# Altium PCB 3-as-manufactured.PcbDoc (part 15 of 16) (continued)
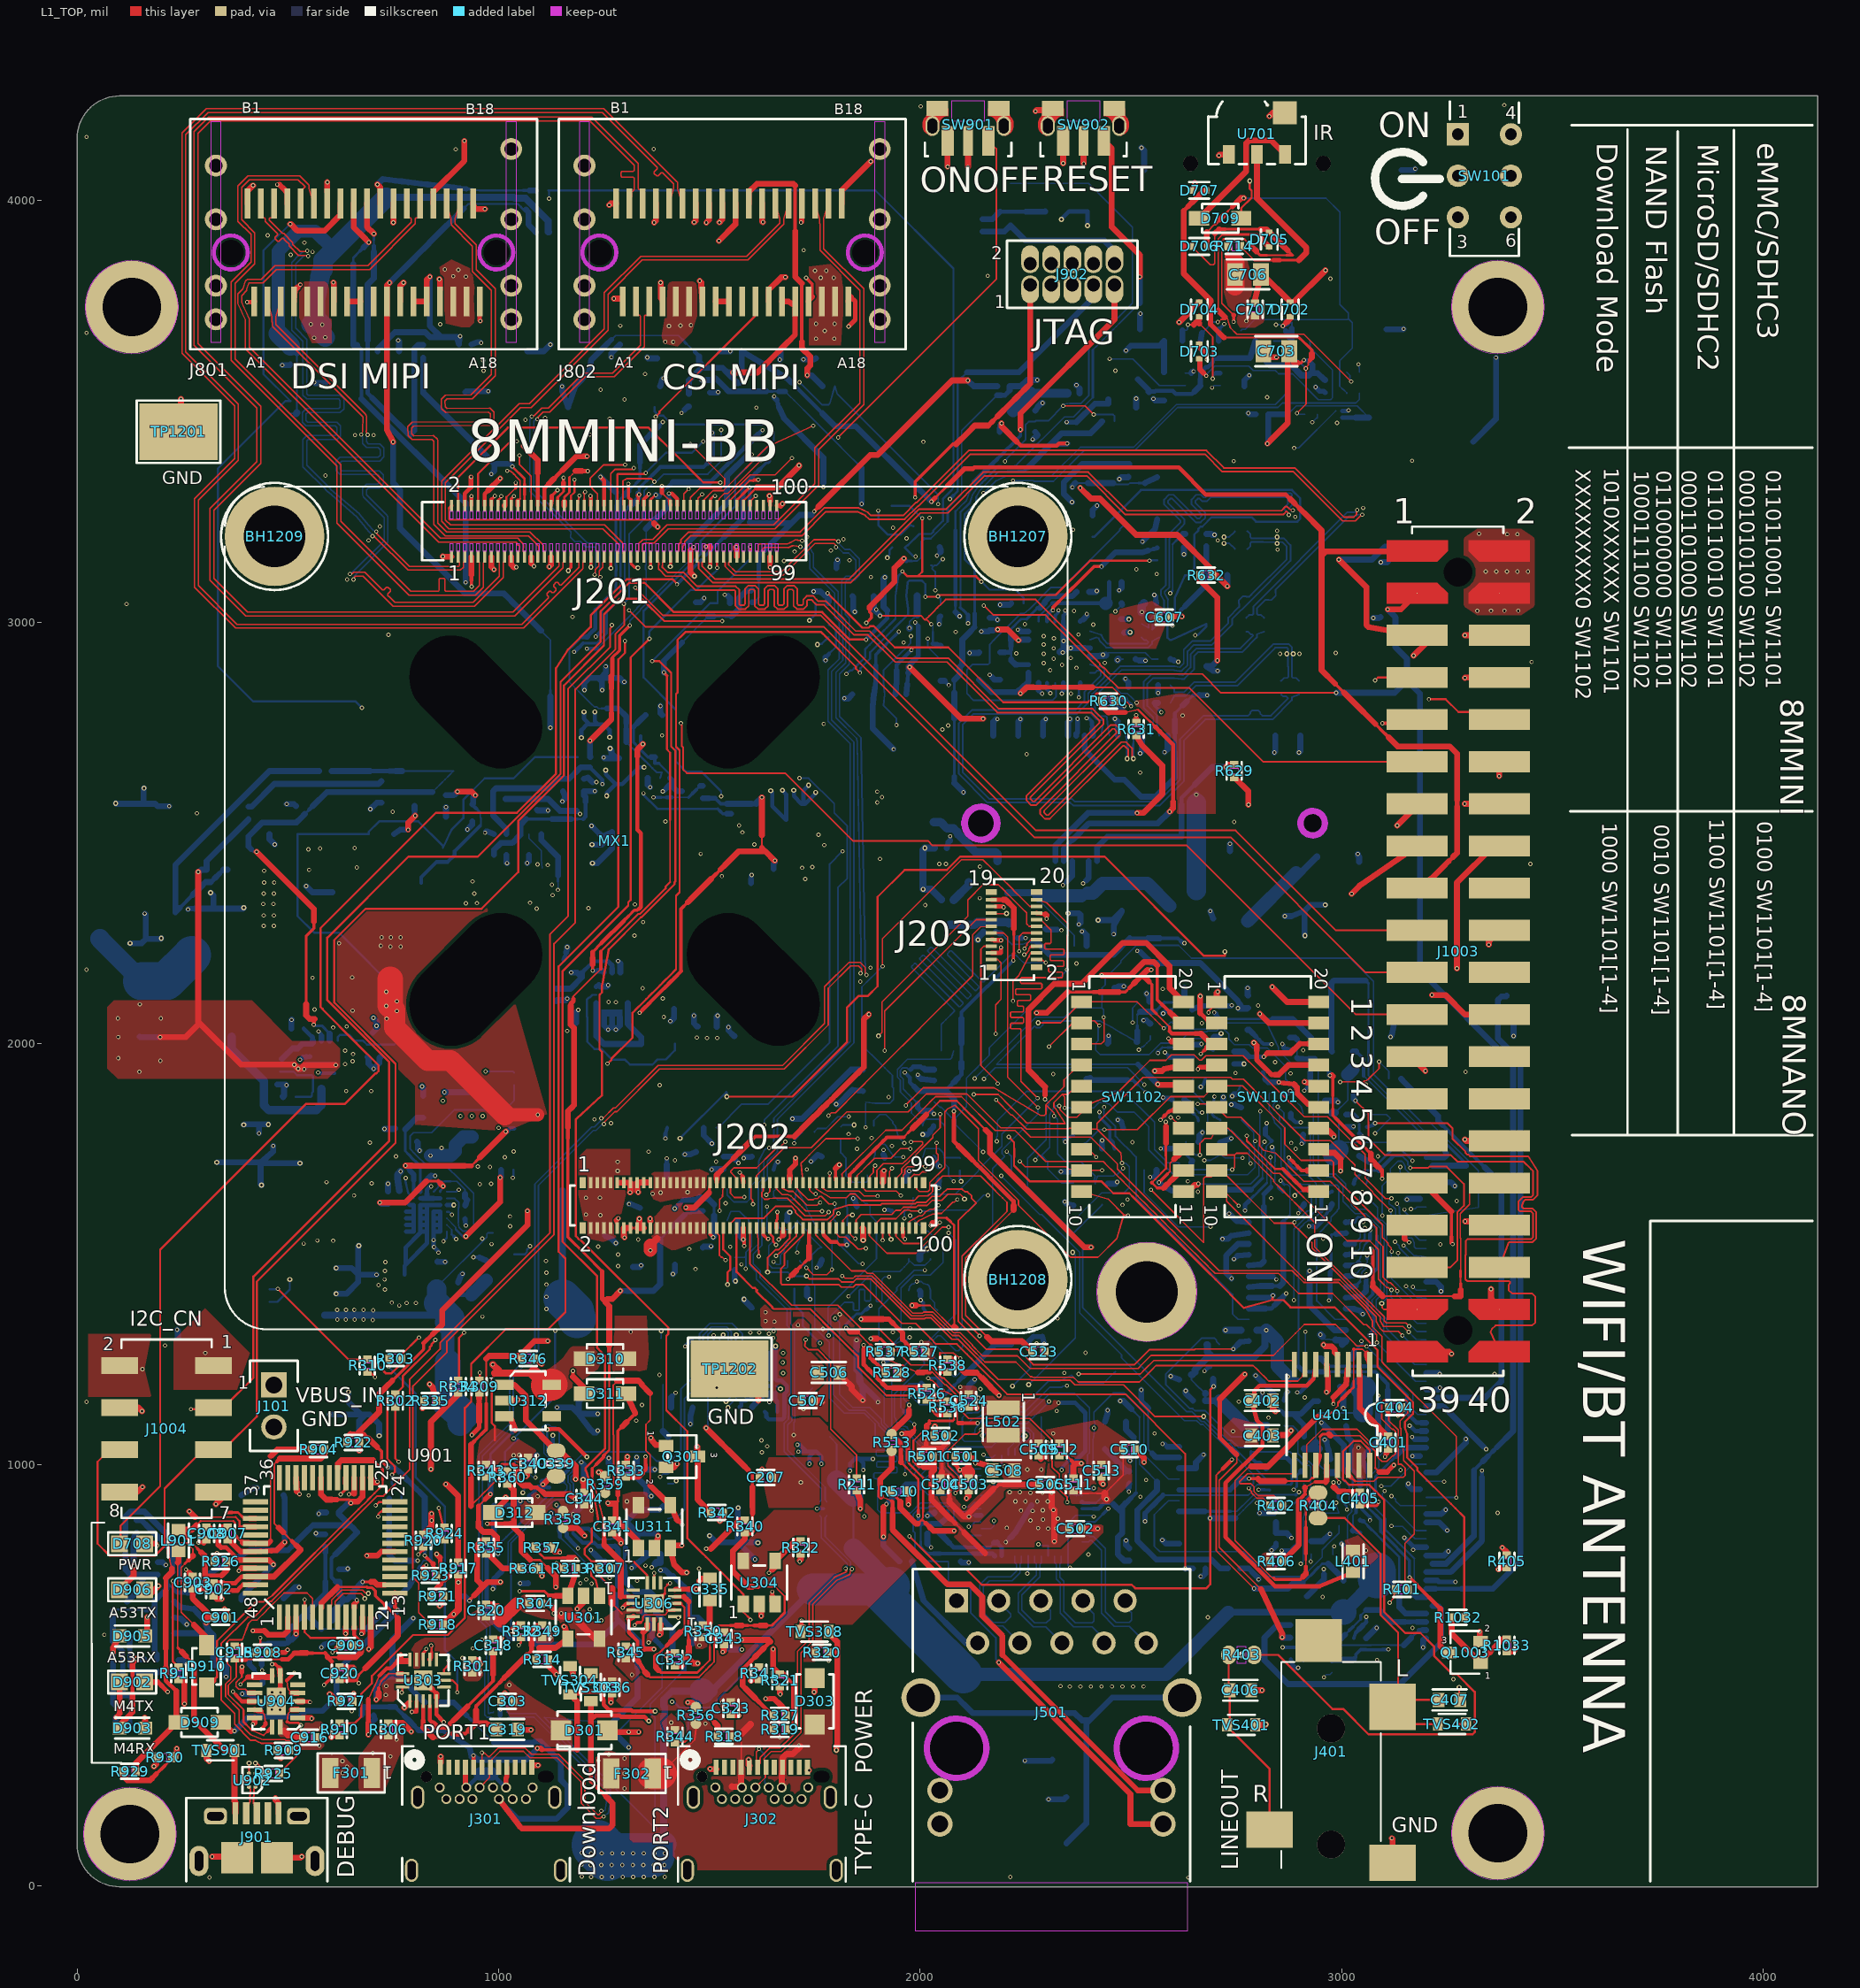
[diagram p0: L1_TOP view]
## Silkscreen, mask and mechanical layers (free items; w line width, h text height) (continued)
  text "D" at 2918.97,-6171.22 h151.9
  text "G" at 3481.87,-6171.22 h151.9
  text "N" at 3574.98,-6171.22 h151.9
  text "D" at 3668.09,-6171.22 h151.9
  text "C" at -10493.13,-6365.9 h151.9
  text "o" at -10400.02,-6365.9 h151.9
  text "r" at -10306.91,-6365.9 h151.9
  text "e" at -10213.8,-6365.9 h151.9
  text "1" at -10027.58,-6365.9 h151.9
  text "C" at -8889.1,-6365.9 h151.9
  text "o" at -8795.99,-6365.9 h151.9
  text "r" at -8702.88,-6365.9 h151.9
  text "e" at -8609.77,-6365.9 h151.9
  text "V" at -7589.79,-6365.9 h151.9
  text "e" at -7496.68,-6365.9 h151.9
  text "n" at -7403.57,-6365.9 h151.9
  text "t" at -7310.46,-6365.9 h151.9
  text "e" at -7217.35,-6365.9 h151.9
  text "c" at -7124.24,-6365.9 h151.9
  text "V" at -6493.63,-6365.9 h151.9
  text "T" at -6400.52,-6365.9 h151.9
  text "4" at -6307.41,-6365.9 h151.9
  text "7" at -6214.3,-6365.9 h151.9
  text "_" at -6121.19,-6365.9 h151.9
  text "3" at -6028.07,-6365.9 h151.9
  text "." at -5934.96,-6365.9 h151.9
  text "0" at -5841.85,-6365.9 h151.9
  text "_" at -5748.74,-6365.9 h151.9
  text "1" at -5655.63,-6365.9 h151.9
  text "x" at -5562.52,-6365.9 h151.9
  text "2" at -5469.41,-6365.9 h151.9
  text "1" at -5376.3,-6365.9 h151.9
  text "1" at -5283.19,-6365.9 h151.9
  text "2" at -5190.08,-6365.9 h151.9
  text "3" at -4407.11,-6365.9 h151.9
  text "4" at -2532.21,-6365.9 h151.9
  text "." at -2439.1,-6365.9 h151.9
  text "0" at -2345.99,-6365.9 h151.9
  text "5" at -2252.88,-6365.9 h151.9
  text "0" at -1935.46,-6365.9 h151.9
  text "." at -1842.35,-6365.9 h151.9
  text "0" at -1749.24,-6365.9 h151.9
  text "1" at -1656.13,-6365.9 h151.9
  text "6" at -1563.02,-6365.9 h151.9
  text "Copper" at -6098.63,-6539.77 h152
  text "N" at -280.63,-6556.36 h151.9
  text "/" at -187.52,-6556.36 h151.9
  text "U" at -94.41,-6556.36 h151.9
  text "N" at 468.48,-6556.36 h151.9
  text "/" at 561.59,-6556.36 h151.9
  text "U" at 654.7,-6556.36 h151.9
  text "3" at -11098.35,-6560.59 h151.9
  text "L" at -10493.13,-6560.59 h151.9
  text "3" at -10400.02,-6560.59 h151.9
  text "_" at -10306.91,-6560.59 h151.9
  text "I" at -10213.8,-6560.59 h151.9
  text "N" at -10120.69,-6560.59 h151.9
  text "T" at -10027.58,-6560.59 h151.9
  text "S" at -8982.21,-6560.59 h151.9
  text "i" at -8889.1,-6560.59 h151.9
  text "g" at -8795.99,-6560.59 h151.9
  text "n" at -8702.88,-6560.59 h151.9
  text "a" at -8609.77,-6560.59 h151.9
  text "l" at -8516.66,-6560.59 h151.9
  text "0" at -4500.22,-6560.59 h151.9
  text "." at -4407.11,-6560.59 h151.9
  text "6" at -4314,-6560.59 h151.9
  text "0" at -3378.67,-6560.59 h151.9
  text "." at -3285.56,-6560.59 h151.9
  text "5" at -3192.44,-6560.59 h151.9
  text "4" at -1093.23,-6560.59 h151.9
  text "." at -1000.12,-6560.59 h151.9
  text "2" at -907.01,-6560.59 h151.9
  text "N" at 1234.52,-6560.59 h151.9
  text "/" at 1327.63,-6560.59 h151.9
  text "U" at 1420.74,-6560.59 h151.9
  text "N" at 1983.64,-6560.59 h151.9
  text "/" at 2076.75,-6560.59 h151.9
  text "U" at 2169.86,-6560.59 h151.9
  text "3" at 2825.86,-6560.59 h151.9
  text "5" at 3574.98,-6560.59 h151.9
  text "P" at -10632.8,-6755.27 h151.9
  text "r" at -10539.69,-6755.27 h151.9
  text "e" at -10446.58,-6755.27 h151.9
  text "p" at -10353.47,-6755.27 h151.9
  text "r" at -10260.36,-6755.27 h151.9
  text "e" at -10167.25,-6755.27 h151.9
  text "g" at -10074.14,-6755.27 h151.9
  text "2" at -9887.92,-6755.27 h151.9
  text "P" at -9028.76,-6755.27 h151.9
  text "r" at -8935.65,-6755.27 h151.9
  text "e" at -8842.54,-6755.27 h151.9
  text "p" at -8749.43,-6755.27 h151.9
  text "r" at -8656.32,-6755.27 h151.9
  text "e" at -8563.21,-6755.27 h151.9
  text "g" at -8470.1,-6755.27 h151.9
  text "V" at -7589.79,-6755.27 h151.9
  text "e" at -7496.68,-6755.27 h151.9
  text "n" at -7403.57,-6755.27 h151.9
  text "t" at -7310.46,-6755.27 h151.9
  text "e" at -7217.35,-6755.27 h151.9
  text "c" at -7124.24,-6755.27 h151.9
  text "V" at -6400.52,-6755.27 h151.9
  text "T" at -6307.41,-6755.27 h151.9
  text "4" at -6214.3,-6755.27 h151.9
  text "7" at -6121.19,-6755.27 h151.9
  text "_" at -6028.07,-6755.27 h151.9
  text "8" at -5934.96,-6755.27 h151.9
  text "." at -5841.85,-6755.27 h151.9
  text "2" at -5748.74,-6755.27 h151.9
  text "_" at -5655.63,-6755.27 h151.9
  text "7" at -5562.52,-6755.27 h151.9
  text "6" at -5469.41,-6755.27 h151.9
  text "2" at -5376.3,-6755.27 h151.9
  text "8" at -5283.19,-6755.27 h151.9
  text "8" at -4500.22,-6755.27 h151.9
  text "." at -4407.11,-6755.27 h151.9
  text "2" at -4314,-6755.27 h151.9
  text "4" at -2532.21,-6755.27 h151.9
  text "." at -2439.1,-6755.27 h151.9
  text "1" at -2345.99,-6755.27 h151.9
  text "5" at -2252.88,-6755.27 h151.9
  text "0" at -1935.46,-6755.27 h151.9
  text "." at -1842.35,-6755.27 h151.9
  text "0" at -1749.24,-6755.27 h151.9
  text "1" at -1656.13,-6755.27 h151.9
  text "6" at -1563.02,-6755.27 h151.9
  text "P" at -10632.8,-6949.96 h151.9
  text "r" at -10539.69,-6949.96 h151.9
  text "e" at -10446.58,-6949.96 h151.9
  text "p" at -10353.47,-6949.96 h151.9
  text "r" at -10260.36,-6949.96 h151.9
  text "e" at -10167.25,-6949.96 h151.9
  text "g" at -10074.14,-6949.96 h151.9
  text "3" at -9887.92,-6949.96 h151.9
  text "P" at -9028.76,-6949.96 h151.9
  text "r" at -8935.65,-6949.96 h151.9
  text "e" at -8842.54,-6949.96 h151.9
  text "p" at -8749.43,-6949.96 h151.9
  text "r" at -8656.32,-6949.96 h151.9
  text "e" at -8563.21,-6949.96 h151.9
  text "g" at -8470.1,-6949.96 h151.9
  text "V" at -7589.79,-6949.96 h151.9
  text "e" at -7496.68,-6949.96 h151.9
  text "n" at -7403.57,-6949.96 h151.9
  text "t" at -7310.46,-6949.96 h151.9
  text "e" at -7217.35,-6949.96 h151.9
  text "c" at -7124.24,-6949.96 h151.9
  text "V" at -6400.52,-6949.96 h151.9
  text "T" at -6307.41,-6949.96 h151.9
  text "4" at -6214.3,-6949.96 h151.9
  text "7" at -6121.19,-6949.96 h151.9
  text "_" at -6028.07,-6949.96 h151.9
  text "8" at -5934.96,-6949.96 h151.9
  text "." at -5841.85,-6949.96 h151.9
  text "2" at -5748.74,-6949.96 h151.9
  text "_" at -5655.63,-6949.96 h151.9
  text "7" at -5562.52,-6949.96 h151.9
  text "6" at -5469.41,-6949.96 h151.9
  text "2" at -5376.3,-6949.96 h151.9
  text "8" at -5283.19,-6949.96 h151.9
  text "8" at -4500.22,-6949.96 h151.9
  text "." at -4407.11,-6949.96 h151.9
  text "2" at -4314,-6949.96 h151.9
  text "4" at -2532.21,-6949.96 h151.9
  text "." at -2439.1,-6949.96 h151.9
  text "1" at -2345.99,-6949.96 h151.9
  text "5" at -2252.88,-6949.96 h151.9
  text "0" at -1935.46,-6949.96 h151.9
  text "." at -1842.35,-6949.96 h151.9
  text "0" at -1749.24,-6949.96 h151.9
  text "1" at -1656.13,-6949.96 h151.9
  text "6" at -1563.02,-6949.96 h151.9
  text "Copper" at -6098.63,-7136.32 h152
  text "4" at -11098.35,-7144.64 h151.9
  text "L" at -10493.13,-7144.64 h151.9
  text "4" at -10400.02,-7144.64 h151.9
  text "_" at -10306.91,-7144.64 h151.9
  text "P" at -10213.8,-7144.64 h151.9
  text "W" at -10120.69,-7144.64 h151.9
  text "R" at -10027.58,-7144.64 h151.9
  text "S" at -9261.54,-7144.64 h151.9
  text "i" at -9168.43,-7144.64 h151.9
  text "g" at -9075.32,-7144.64 h151.9
  text "n" at -8982.21,-7144.64 h151.9
  text "a" at -8889.1,-7144.64 h151.9
  text "l" at -8795.99,-7144.64 h151.9
  text "/" at -8702.88,-7144.64 h151.9
  text "P" at -8609.77,-7144.64 h151.9
  text "l" at -8516.66,-7144.64 h151.9
  text "a" at -8423.55,-7144.64 h151.9
  text "n" at -8330.44,-7144.64 h151.9
  text "e" at -8237.33,-7144.64 h151.9
  text "0" at -4500.22,-7144.64 h151.9
  text "." at -4407.11,-7144.64 h151.9
  text "6" at -4314,-7144.64 h151.9
  text "0" at -3378.67,-7144.64 h151.9
  text "." at -3285.56,-7144.64 h151.9
  text "5" at -3192.44,-7144.64 h151.9
  text "N" at -1093.23,-7144.64 h151.9
  text "/" at -1000.12,-7144.64 h151.9
  text "U" at -907.01,-7144.64 h151.9
  text "N" at -276.4,-7144.64 h151.9
  text "/" at -183.29,-7144.64 h151.9
  text "U" at -90.18,-7144.64 h151.9
  text "N" at 476.94,-7144.64 h151.9
  text "/" at 570.06,-7144.64 h151.9
  text "U" at 663.17,-7144.64 h151.9
  text "N" at 1234.52,-7144.64 h151.9
  text "/" at 1327.63,-7144.64 h151.9
  text "U" at 1420.74,-7144.64 h151.9
  text "N" at 1983.64,-7144.64 h151.9
  text "/" at 2076.75,-7144.64 h151.9
  text "U" at 2169.86,-7144.64 h151.9
  text "N" at 2732.75,-7144.64 h151.9
  text "/" at 2825.86,-7144.64 h151.9
  text "U" at 2918.97,-7144.64 h151.9
  text "N" at 3481.87,-7144.64 h151.9
  text "/" at 3574.98,-7144.64 h151.9
  text "U" at 3668.09,-7144.64 h151.9
  text "C" at -10493.13,-7339.33 h151.9
  text "o" at -10400.02,-7339.33 h151.9
  text "r" at -10306.91,-7339.33 h151.9
  text "e" at -10213.8,-7339.33 h151.9
  text "2" at -10027.58,-7339.33 h151.9
  text "C" at -8889.1,-7339.33 h151.9
  text "o" at -8795.99,-7339.33 h151.9
  text "r" at -8702.88,-7339.33 h151.9
  text "e" at -8609.77,-7339.33 h151.9
  text "V" at -7589.79,-7339.33 h151.9
  text "e" at -7496.68,-7339.33 h151.9
  text "n" at -7403.57,-7339.33 h151.9
  text "t" at -7310.46,-7339.33 h151.9
  text "e" at -7217.35,-7339.33 h151.9
  text "c" at -7124.24,-7339.33 h151.9
  text "V" at -6540.18,-7339.33 h151.9
  text "T" at -6447.07,-7339.33 h151.9
  text "4" at -6353.96,-7339.33 h151.9
  text "7" at -6260.85,-7339.33 h151.9
  text "_" at -6167.74,-7339.33 h151.9
  text "1" at -6074.63,-7339.33 h151.9
  text "2" at -5981.52,-7339.33 h151.9
  text "." at -5888.41,-7339.33 h151.9
  text "0" at -5795.3,-7339.33 h151.9
  text "_" at -5702.19,-7339.33 h151.9
  text "2" at -5609.08,-7339.33 h151.9
  text "x" at -5515.97,-7339.33 h151.9
  text "1" at -5422.86,-7339.33 h151.9
  text "5" at -5329.75,-7339.33 h151.9
  text "0" at -5236.64,-7339.33 h151.9
  text "6" at -5143.53,-7339.33 h151.9
  text "1" at -4453.67,-7339.33 h151.9
  text "2" at -4360.56,-7339.33 h151.9
  text "4" at -2485.65,-7339.33 h151.9
  text "." at -2392.54,-7339.33 h151.9
  text "2" at -2299.43,-7339.33 h151.9
  text "0" at -1935.46,-7339.33 h151.9
  text "." at -1842.35,-7339.33 h151.9
  text "0" at -1749.24,-7339.33 h151.9
  text "1" at -1656.13,-7339.33 h151.9
  text "5" at -1563.02,-7339.33 h151.9
  text "Copper" at -6098.63,-7513.2 h152
  text "5" at -11098.35,-7534.01 h151.9
  text "L" at -10493.13,-7534.01 h151.9
  text "5" at -10400.02,-7534.01 h151.9
  text "_" at -10306.91,-7534.01 h151.9
  text "P" at -10213.8,-7534.01 h151.9
  text "W" at -10120.69,-7534.01 h151.9
  text "R" at -10027.58,-7534.01 h151.9
  text "S" at -9261.54,-7534.01 h151.9
  text "i" at -9168.43,-7534.01 h151.9
  text "g" at -9075.32,-7534.01 h151.9
  text "n" at -8982.21,-7534.01 h151.9
  text "a" at -8889.1,-7534.01 h151.9
  text "l" at -8795.99,-7534.01 h151.9
  text "/" at -8702.88,-7534.01 h151.9
  text "P" at -8609.77,-7534.01 h151.9
  text "l" at -8516.66,-7534.01 h151.9
  text "a" at -8423.55,-7534.01 h151.9
  text "n" at -8330.44,-7534.01 h151.9
  text "e" at -8237.33,-7534.01 h151.9
  text "0" at -4500.22,-7534.01 h151.9
  text "." at -4407.11,-7534.01 h151.9
  text "6" at -4314,-7534.01 h151.9
  text "0" at -3378.67,-7534.01 h151.9
  text "." at -3285.56,-7534.01 h151.9
  text "5" at -3192.44,-7534.01 h151.9
  text "N" at -1093.23,-7534.01 h151.9
  text "/" at -1000.12,-7534.01 h151.9
  text "U" at -907.01,-7534.01 h151.9
  text "N" at -276.4,-7534.01 h151.9
  text "/" at -183.29,-7534.01 h151.9
  text "U" at -90.18,-7534.01 h151.9
  text "N" at 476.94,-7534.01 h151.9
  text "/" at 570.06,-7534.01 h151.9
  text "U" at 663.17,-7534.01 h151.9
  text "N" at 1234.52,-7534.01 h151.9
  text "/" at 1327.63,-7534.01 h151.9
  text "U" at 1420.74,-7534.01 h151.9
  text "N" at 1983.64,-7534.01 h151.9
  text "/" at 2076.75,-7534.01 h151.9
  text "U" at 2169.86,-7534.01 h151.9
  text "N" at 2732.75,-7534.01 h151.9
  text "/" at 2825.86,-7534.01 h151.9
  text "U" at 2918.97,-7534.01 h151.9
  text "N" at 3481.87,-7534.01 h151.9
  text "/" at 3574.98,-7534.01 h151.9
  text "U" at 3668.09,-7534.01 h151.9
  text "P" at -10632.8,-7728.7 h151.9
  text "r" at -10539.69,-7728.7 h151.9
  text "e" at -10446.58,-7728.7 h151.9
  text "p" at -10353.47,-7728.7 h151.9
  text "r" at -10260.36,-7728.7 h151.9
  text "e" at -10167.25,-7728.7 h151.9
  text "g" at -10074.14,-7728.7 h151.9
  text "4" at -9887.92,-7728.7 h151.9
  text "P" at -9028.76,-7728.7 h151.9
  text "r" at -8935.65,-7728.7 h151.9
  text "e" at -8842.54,-7728.7 h151.9
  text "p" at -8749.43,-7728.7 h151.9
  text "r" at -8656.32,-7728.7 h151.9
  text "e" at -8563.21,-7728.7 h151.9
  text "g" at -8470.1,-7728.7 h151.9
  text "V" at -7589.79,-7728.7 h151.9
  text "e" at -7496.68,-7728.7 h151.9
  text "n" at -7403.57,-7728.7 h151.9
  text "t" at -7310.46,-7728.7 h151.9
  text "e" at -7217.35,-7728.7 h151.9
  text "c" at -7124.24,-7728.7 h151.9
  text "V" at -6400.52,-7728.7 h151.9
  text "T" at -6307.41,-7728.7 h151.9
  text "4" at -6214.3,-7728.7 h151.9
  text "7" at -6121.19,-7728.7 h151.9
  text "_" at -6028.07,-7728.7 h151.9
  text "8" at -5934.96,-7728.7 h151.9
  text "." at -5841.85,-7728.7 h151.9
  text "2" at -5748.74,-7728.7 h151.9
  text "_" at -5655.63,-7728.7 h151.9
  text "7" at -5562.52,-7728.7 h151.9
  text "6" at -5469.41,-7728.7 h151.9
  text "2" at -5376.3,-7728.7 h151.9
  text "8" at -5283.19,-7728.7 h151.9
  text "8" at -4500.22,-7728.7 h151.9
  text "." at -4407.11,-7728.7 h151.9
  text "2" at -4314,-7728.7 h151.9
  text "4" at -2532.21,-7728.7 h151.9
  text "." at -2439.1,-7728.7 h151.9
  text "1" at -2345.99,-7728.7 h151.9
  text "5" at -2252.88,-7728.7 h151.9
  text "0" at -1935.46,-7728.7 h151.9
  text "." at -1842.35,-7728.7 h151.9
  text "0" at -1749.24,-7728.7 h151.9
  text "1" at -1656.13,-7728.7 h151.9
  text "6" at -1563.02,-7728.7 h151.9
  text "P" at -10632.8,-7923.38 h151.9
  text "r" at -10539.69,-7923.38 h151.9
  text "e" at -10446.58,-7923.38 h151.9
  text "p" at -10353.47,-7923.38 h151.9
  text "r" at -10260.36,-7923.38 h151.9
  text "e" at -10167.25,-7923.38 h151.9
  text "g" at -10074.14,-7923.38 h151.9
  text "5" at -9887.92,-7923.38 h151.9
  text "P" at -9028.76,-7923.38 h151.9
  text "r" at -8935.65,-7923.38 h151.9
  text "e" at -8842.54,-7923.38 h151.9
  text "p" at -8749.43,-7923.38 h151.9
  text "r" at -8656.32,-7923.38 h151.9
  text "e" at -8563.21,-7923.38 h151.9
  text "g" at -8470.1,-7923.38 h151.9
  text "V" at -7589.79,-7923.38 h151.9
  text "e" at -7496.68,-7923.38 h151.9
  text "n" at -7403.57,-7923.38 h151.9
  text "t" at -7310.46,-7923.38 h151.9
  text "e" at -7217.35,-7923.38 h151.9
  text "c" at -7124.24,-7923.38 h151.9
  text "V" at -6400.52,-7923.38 h151.9
  text "T" at -6307.41,-7923.38 h151.9
  text "4" at -6214.3,-7923.38 h151.9
  text "7" at -6121.19,-7923.38 h151.9
  text "_" at -6028.07,-7923.38 h151.9
  text "8" at -5934.96,-7923.38 h151.9
  text "." at -5841.85,-7923.38 h151.9
  text "2" at -5748.74,-7923.38 h151.9
  text "_" at -5655.63,-7923.38 h151.9
  text "7" at -5562.52,-7923.38 h151.9
  text "6" at -5469.41,-7923.38 h151.9
  text "2" at -5376.3,-7923.38 h151.9
  text "8" at -5283.19,-7923.38 h151.9
  text "8" at -4500.22,-7923.38 h151.9
  text "." at -4407.11,-7923.38 h151.9
  text "2" at -4314,-7923.38 h151.9
  text "4" at -2532.21,-7923.38 h151.9
  text "." at -2439.1,-7923.38 h151.9
  text "1" at -2345.99,-7923.38 h151.9
  text "5" at -2252.88,-7923.38 h151.9
  text "0" at -1935.46,-7923.38 h151.9
  text "." at -1842.35,-7923.38 h151.9
  text "0" at -1749.24,-7923.38 h151.9
  text "1" at -1656.13,-7923.38 h151.9
  text "6" at -1563.02,-7923.38 h151.9
  text "Copper" at -6098.63,-8097.25 h152
  text "N" at -280.63,-8113.84 h151.9
  text "/" at -187.52,-8113.84 h151.9
  text "U" at -94.41,-8113.84 h151.9
  text "N" at 468.48,-8113.84 h151.9
  text "/" at 561.59,-8113.84 h151.9
  text "U" at 654.7,-8113.84 h151.9
  text "N" at 1230.29,-8113.84 h151.9
  text "/" at 1323.4,-8113.84 h151.9
  text "U" at 1416.51,-8113.84 h151.9
  text "N" at 1979.41,-8113.84 h151.9
  text "/" at 2072.52,-8113.84 h151.9
  text "U" at 2165.63,-8113.84 h151.9
  text "N" at 2732.75,-8113.84 h151.9
  text "/" at 2825.86,-8113.84 h151.9
  text "U" at 2918.97,-8113.84 h151.9
  text "N" at 3481.87,-8113.84 h151.9
  text "/" at 3574.98,-8113.84 h151.9
  text "U" at 3668.09,-8113.84 h151.9
  text "6" at -11098.35,-8118.07 h151.9
  text "L" at -10493.13,-8118.07 h151.9
  text "6" at -10400.02,-8118.07 h151.9
  text "_" at -10306.91,-8118.07 h151.9
  text "I" at -10213.8,-8118.07 h151.9
  text "N" at -10120.69,-8118.07 h151.9
  text "T" at -10027.58,-8118.07 h151.9
  text "S" at -8982.21,-8118.07 h151.9
  text "i" at -8889.1,-8118.07 h151.9
  text "g" at -8795.99,-8118.07 h151.9
  text "n" at -8702.88,-8118.07 h151.9
  text "a" at -8609.77,-8118.07 h151.9
  text "l" at -8516.66,-8118.07 h151.9
  text "0" at -4500.22,-8118.07 h151.9
  text "." at -4407.11,-8118.07 h151.9
  text "6" at -4314,-8118.07 h151.9
  text "0" at -3378.67,-8118.07 h151.9
  text "." at -3285.56,-8118.07 h151.9
  text "5" at -3192.44,-8118.07 h151.9
  text "4" at -1093.23,-8118.07 h151.9
  text "." at -1000.12,-8118.07 h151.9
  text "2" at -907.01,-8118.07 h151.9
  text "C" at -10493.13,-8312.75 h151.9
  text "o" at -10400.02,-8312.75 h151.9
  text "r" at -10306.91,-8312.75 h151.9
  text "e" at -10213.8,-8312.75 h151.9
  text "3" at -10027.58,-8312.75 h151.9
  text "C" at -8889.1,-8312.75 h151.9
  text "o" at -8795.99,-8312.75 h151.9
  text "r" at -8702.88,-8312.75 h151.9
  text "e" at -8609.77,-8312.75 h151.9
  text "V" at -7589.79,-8312.75 h151.9
  text "e" at -7496.68,-8312.75 h151.9
  text "n" at -7403.57,-8312.75 h151.9
  text "t" at -7310.46,-8312.75 h151.9
  text "e" at -7217.35,-8312.75 h151.9
  text "c" at -7124.24,-8312.75 h151.9
  text "V" at -6493.63,-8312.75 h151.9
  text "T" at -6400.52,-8312.75 h151.9
  text "4" at -6307.41,-8312.75 h151.9
  text "7" at -6214.3,-8312.75 h151.9
  text "_" at -6121.19,-8312.75 h151.9
  text "3" at -6028.07,-8312.75 h151.9
  text "." at -5934.96,-8312.75 h151.9
  text "0" at -5841.85,-8312.75 h151.9
  text "_" at -5748.74,-8312.75 h151.9
  text "1" at -5655.63,-8312.75 h151.9
  text "x" at -5562.52,-8312.75 h151.9
  text "2" at -5469.41,-8312.75 h151.9
  text "1" at -5376.3,-8312.75 h151.9
  text "1" at -5283.19,-8312.75 h151.9
  text "2" at -5190.08,-8312.75 h151.9
  text "3" at -4407.11,-8312.75 h151.9
  text "4" at -2532.21,-8312.75 h151.9
  text "." at -2439.1,-8312.75 h151.9
  text "0" at -2345.99,-8312.75 h151.9
  text "5" at -2252.88,-8312.75 h151.9
  text "0" at -1935.46,-8312.75 h151.9
  text "." at -1842.35,-8312.75 h151.9
  text "0" at -1749.24,-8312.75 h151.9
  text "1" at -1656.13,-8312.75 h151.9
  text "6" at -1563.02,-8312.75 h151.9
  text "Copper" at -6098.63,-8486.62 h152
  text "7" at -11098.35,-8507.44 h151.9
  text "L" at -10493.13,-8507.44 h151.9
  text "7" at -10400.02,-8507.44 h151.9
  text "_" at -10306.91,-8507.44 h151.9
  text "G" at -10213.8,-8507.44 h151.9
  text "N" at -10120.69,-8507.44 h151.9
  text "D" at -10027.58,-8507.44 h151.9
  text "P" at -8935.65,-8507.44 h151.9
  text "l" at -8842.54,-8507.44 h151.9
  text "a" at -8749.43,-8507.44 h151.9
  text "n" at -8656.32,-8507.44 h151.9
  text "e" at -8563.21,-8507.44 h151.9
  text "0" at -4500.22,-8507.44 h151.9
  text "." at -4407.11,-8507.44 h151.9
  text "6" at -4314,-8507.44 h151.9
  text "0" at -3378.67,-8507.44 h151.9
  text "." at -3285.56,-8507.44 h151.9
  text "5" at -3192.44,-8507.44 h151.9
  text "G" at -1093.23,-8507.44 h151.9
  text "N" at -1000.12,-8507.44 h151.9
  text "D" at -907.01,-8507.44 h151.9
  text "G" at -276.4,-8507.44 h151.9
  text "N" at -183.29,-8507.44 h151.9
  text "D" at -90.18,-8507.44 h151.9
  text "G" at 476.94,-8507.44 h151.9
  text "N" at 570.06,-8507.44 h151.9
  text "D" at 663.17,-8507.44 h151.9
  text "G" at 1234.52,-8507.44 h151.9
  text "N" at 1327.63,-8507.44 h151.9
  text "D" at 1420.74,-8507.44 h151.9
  text "G" at 1983.64,-8507.44 h151.9
  text "N" at 2076.75,-8507.44 h151.9
  text "D" at 2169.86,-8507.44 h151.9
  text "G" at 2732.75,-8507.44 h151.9
  text "N" at 2825.86,-8507.44 h151.9
  text "D" at 2918.97,-8507.44 h151.9
  text "G" at 3481.87,-8507.44 h151.9
  text "N" at 3574.98,-8507.44 h151.9
  text "D" at 3668.09,-8507.44 h151.9
  text "P" at -10632.8,-8702.12 h151.9
  text "r" at -10539.69,-8702.12 h151.9
  text "e" at -10446.58,-8702.12 h151.9
  text "p" at -10353.47,-8702.12 h151.9
  text "r" at -10260.36,-8702.12 h151.9
  text "e" at -10167.25,-8702.12 h151.9
  text "g" at -10074.14,-8702.12 h151.9
  text "6" at -9887.92,-8702.12 h151.9
  text "P" at -9028.76,-8702.12 h151.9
  text "r" at -8935.65,-8702.12 h151.9
  text "e" at -8842.54,-8702.12 h151.9
  text "p" at -8749.43,-8702.12 h151.9
  text "r" at -8656.32,-8702.12 h151.9
  text "e" at -8563.21,-8702.12 h151.9
  text "g" at -8470.1,-8702.12 h151.9
  text "V" at -7589.79,-8702.12 h151.9
  text "e" at -7496.68,-8702.12 h151.9
  text "n" at -7403.57,-8702.12 h151.9
  text "t" at -7310.46,-8702.12 h151.9
  text "e" at -7217.35,-8702.12 h151.9
  text "c" at -7124.24,-8702.12 h151.9
  text "V" at -6353.96,-8702.12 h151.9
  text "T" at -6260.85,-8702.12 h151.9
  text "4" at -6167.74,-8702.12 h151.9
  text "7" at -6074.63,-8702.12 h151.9
  text "_" at -5981.52,-8702.12 h151.9
  text "1" at -5888.41,-8702.12 h151.9
  text "." at -5795.3,-8702.12 h151.9
  text "9" at -5702.19,-8702.12 h151.9
  text "_" at -5609.08,-8702.12 h151.9
  text "1" at -5515.97,-8702.12 h151.9
  text "0" at -5422.86,-8702.12 h151.9
  text "6" at -5329.75,-8702.12 h151.9
  text "1" at -4500.22,-8702.12 h151.9
  text "." at -4407.11,-8702.12 h151.9
  text "9" at -4314,-8702.12 h151.9
  text "3" at -2485.65,-8702.12 h151.9
  text "." at -2392.54,-8702.12 h151.9
  text "5" at -2299.43,-8702.12 h151.9
  text "0" at -1935.46,-8702.12 h151.9
  text "." at -1842.35,-8702.12 h151.9
  text "0" at -1749.24,-8702.12 h151.9
  text "1" at -1656.13,-8702.12 h151.9
  text "9" at -1563.02,-8702.12 h151.9
  text "Copper" at -6098.63,-8875.99 h152
  text "8" at -11098.35,-8896.81 h151.9
  text "L" at -10493.13,-8896.81 h151.9
  text "8" at -10400.02,-8896.81 h151.9
  text "_" at -10306.91,-8896.81 h151.9
  text "B" at -10213.8,-8896.81 h151.9
  text "O" at -10120.69,-8896.81 h151.9
  text "T" at -10027.58,-8896.81 h151.9
  text "S" at -8982.21,-8896.81 h151.9
  text "i" at -8889.1,-8896.81 h151.9
  text "g" at -8795.99,-8896.81 h151.9
  text "n" at -8702.88,-8896.81 h151.9
  text "a" at -8609.77,-8896.81 h151.9
  text "l" at -8516.66,-8896.81 h151.9
  text "1" at -4500.22,-8896.81 h151.9
  text "." at -4407.11,-8896.81 h151.9
  text "4" at -4314,-8896.81 h151.9
  text "1" at -3285.56,-8896.81 h151.9
  text "3" at -1093.23,-8896.81 h151.9
  text "." at -1000.12,-8896.81 h151.9
  text "5" at -907.01,-8896.81 h151.9
  text "4" at -183.29,-8896.81 h151.9
  text "5" at 570.06,-8896.81 h151.9
  text "3" at 1234.52,-8896.81 h151.9
  text "." at 1327.63,-8896.81 h151.9
  text "5" at 1420.74,-8896.81 h151.9
  text "5" at 2076.75,-8896.81 h151.9
  text "3" at 2825.86,-8896.81 h151.9
  text "6" at 3574.98,-8896.81 h151.9
  text "Taiyo or Eq." at -7881.16,-9068.99 h152
  text "Green SMOBC" at -6317.91,-9074.05 h152
  text "B" at -10819.02,-9091.49 h151.9
  text "o" at -10725.91,-9091.49 h151.9
  text "t" at -10632.8,-9091.49 h151.9
  text "t" at -10539.69,-9091.49 h151.9
  text "o" at -10446.58,-9091.49 h151.9
  text "m" at -10353.47,-9091.49 h151.9
  text "S" at -10167.25,-9091.49 h151.9
  text "o" at -10074.14,-9091.49 h151.9
  text "l" at -9981.03,-9091.49 h151.9
  text "d" at -9887.92,-9091.49 h151.9
  text "e" at -9794.81,-9091.49 h151.9
  text "r" at -9701.7,-9091.49 h151.9
  text "S" at -9214.98,-9091.49 h151.9
  text "o" at -9121.87,-9091.49 h151.9
  text "l" at -9028.76,-9091.49 h151.9
  text "d" at -8935.65,-9091.49 h151.9
  text "e" at -8842.54,-9091.49 h151.9
  text "r" at -8749.43,-9091.49 h151.9
  text "M" at -8563.21,-9091.49 h151.9
  text "a" at -8470.1,-9091.49 h151.9
  text "s" at -8376.99,-9091.49 h151.9
  text "k" at -8283.88,-9091.49 h151.9
  text "0" at -4500.22,-9091.49 h151.9
  text "." at -4407.11,-9091.49 h151.9
  text "6" at -4314,-9091.49 h151.9
  text "3" at -2485.65,-9091.49 h151.9
  text "." at -2392.54,-9091.49 h151.9
  text "8" at -2299.43,-9091.49 h151.9
  text "0" at -1888.9,-9091.49 h151.9
  text "." at -1795.79,-9091.49 h151.9
  text "0" at -1702.68,-9091.49 h151.9
  text "3" at -1609.57,-9091.49 h151.9
  text "White Epoxy" at -6325.03,-9264.59 h152
  text "B" at -10950.22,-9286.18 h151.9
  text "o" at -10857.11,-9286.18 h151.9
  text "t" at -10764,-9286.18 h151.9
  text "t" at -10670.89,-9286.18 h151.9
  text "o" at -10577.78,-9286.18 h151.9
  text "m" at -10484.67,-9286.18 h151.9
  text "O" at -10298.45,-9286.18 h151.9
  text "v" at -10205.34,-9286.18 h151.9
  text "e" at -10112.23,-9286.18 h151.9
  text "r" at -10019.12,-9286.18 h151.9
  text "l" at -9926.01,-9286.18 h151.9
  text "a" at -9832.9,-9286.18 h151.9
  text "y" at -9739.79,-9286.18 h151.9
  text "O" at -9422.37,-9286.18 h151.9
  text "v" at -9329.26,-9286.18 h151.9
  text "e" at -9236.15,-9286.18 h151.9
  text "r" at -9143.04,-9286.18 h151.9
  text "l" at -9049.93,-9286.18 h151.9
  text "a" at -8956.81,-9286.18 h151.9
  text "y" at -8863.7,-9286.18 h151.9
  text "IMPEDANCE TOLERANCE IS 10%" at -1347,-9659 h225
  text "THE TOTAL THICKNESS:" at -11649,-9672 h225
  text "62.2 mil +/-10%" at -7740,-9684 h225
Sheet:
  drawing of 1264 lines, arcs and shapes, not listed
  text "NXP_8MMINI-BB" at 9119,-9079 h175
  text "THIS DOCUMENT CONTAINS INFORMATION" at 8920.63,-9319.21 h63
  text "___ PUBI (PUBLIC INFORMATION)" at 6075.63,-9354.21 h63
  text "PROPRIETARY TO QUILTER AND SHALL" at 8920.63,-9444.21 h63
  text "QUILTER" at 12370.63,-9509.21 h225
  text "NOT BE USED FOR ENGINEERING DESIGN" at 8920.63,-9569.21 h63
  text "___ QIUO (QUILTER INTERNAL USE ONLY)" at 6075.63,-9654.21 h63
  text "X" at 6115.63,-9654.21 h100
  text "PROCUREMENT OR MANUFACTURE IN WHOLE" at 8920.63,-9694.21 h63
  text "OR IN PART WITHOUT THE CONSENT OF" at 8920.63,-9819.21 h63
  text "29315 Stonecrest Rd, Rolling Hills Estates, CA 90275" at 11590,-9898 h94
  text "NXP." at 8920.63,-9944.21 h63
  text "___ QCP (QUILTER CONFIDENTIAL PROPRIETARY)" at 6075.63,-9954.21 h63
  text "PRINTED WIRING BOARD" at 12440.63,-10409.21 h175
  text "UNLESS OTHERWISE SPECIFIED / DIMENSIONS ARE IN MILS[MM] / TOLERANCES ARE:" at 6116,-10567.22 h90
  text "B. JORDAN" at 9305.63,-10584.21 h100
  text "20250828" at 10570.63,-10584.21 h100
  text "DECIMALS     ANGLES" at 6137,-10725.98 h90
  text "8MMINI-BB" at 12408,-10772 h175
  text ".XX .01       .0-30'" at 6139,-10878.98 h90
  text ".XXX .005" at 6152,-11046.98 h90
  text "RMS ALL MACHINED SURFACES" at 6554,-11218.98 h90
  text "A0" at 16260.63,-11399.21 h175
  text ".Pcb_File_Name_No_Path" at 11864,-11433 h200
  text "BREAK ALL SHARP EDGES AND CORNERS, REMOVE BURRS. / UNDERLINED DIM. NOT TO SCALE." at 6127,-11820.91 h90
  text "1" at 15472.35,-11870.41 h175
  text "1" at 16200.3,-11873.36 h175

## Text inside footprints (layer, text, board x,y; h text height)
J1004: Top Overlay "8" at 75.63,875.79 h31; Top Overlay "7" at 336.42,870.31 h31; Top Overlay "2" at 60.63,1272.1 h31; Top Overlay "1" at 342.09,1277.54 h31; Top Assembly "2" at 81.63,1225.79 h25; Top Assembly "1" at 321.63,1225.79 h25; Top Assembly "8" at 81.63,920.79 h25; Top Assembly "7" at 316.63,920.79 h25; Top Pin Number "1" at 313.97,1220.79 h25; Top Pin Number "2" at 91.47,1220.79 h25; Top Pin Number "5" at 313.97,1020.79 h25; Top Pin Number "6" at 91.47,1020.79 h25; Top Pin Number "3" at 313.97,1120.79 h25; Top Pin Number "4" at 91.47,1120.79 h25; Top Pin Number "7" at 313.97,920.79 h25; Top Pin Number "8" at 91.47,920.79 h25
L101: Bottom Pin Number "2" at 365.75,2016.04 h25 r180; Bottom Pin Number "1" at 147.75,2016.04 h25 r180
L502: Top Overlay "1" at 2242.2,1172.72 h31 r270; Bottom Pin Number "2" at 2197.2,1070.08 h25 r270; Bottom Pin Number "1" at 2197.2,1135.04 h25 r270; Top Assembly "1" at 2247.2,1172.72 h25 r270
Q101: Bottom Overlay "1" at 1582,2451 h31; Bottom Pin Number "4" at 1605.5,2576.42 h15 r180; Bottom Pin Number "5" at 1661.77,2538.03 h15 r180; Bottom Pin Number "3" at 1605.86,2550.83 h15 r180; Bottom Pin Number "2" at 1605.86,2525.23 h15 r180; Bottom Pin Number "1" at 1609.08,2499.64 h15 r180; Bottom Assembly "1" at 1610.3,2499.14 h25 r180; Bottom Assembly "4" at 1606.77,2585.53 h25 r180; Bottom Assembly "5" at 1691.77,2540.53 h25 r180
Q102: Bottom Overlay "3" at 1009,2604 h15; Bottom Overlay "2" at 1127,2549 h15; Bottom Overlay "1" at 1124,2603 h15
Q301: Top Overlay "3" at 1503.24,1029.48 h15 r270; Top Overlay "2" at 1351.17,965.9 h15 r270; Top Overlay "1" at 1353.16,1081.01 h15 r270
Q604: Bottom Overlay "3" at 2519,3218 h15; Bottom Overlay "2" at 2382,3247 h15; Bottom Overlay "1" at 2380,3195 h15
Q903: Bottom Overlay "3" at 792,2589 h15; Bottom Overlay "2" at 910,2531 h15; Bottom Overlay "1" at 908,2575 h15
Q1001: Bottom Overlay "1" at 3050,721 h20; Bottom Pin Number "2" at 3016.71,656.48 h25 r90; Bottom Pin Number "1" at 3016.71,731.27 h25 r90; Bottom Pin Number "3" at 2930.11,693.88 h25 r90
Q1002: Bottom Pin Number "1" at 3055.37,1003.57 h20; Bottom Pin Number "3" at 3018.37,1082.57 h20; Bottom Pin Number "2" at 2981.37,1003.57 h20
Q1003: Top Overlay "1" at 3340,492 h15; Top Overlay "2" at 3339,604 h15; Top Overlay "3" at 3237,576 h15
R103: Bottom Pin Number "2" at 1088.04,2393.6 h25 r180; Bottom Pin Number "1" at 973.4,2393.6 h25 r180
R120: Top Pin Number "1" at 1747.59,2330.93 h25; Top Pin Number "2" at 1686.17,2330.93 h25
R514: Bottom Pin Number "2" at 2361.9,111.39 h25 r90; Bottom Pin Number "1" at 2361.9,221.62 h25 r90
R1001: Top Pin Number "1" at 3041.49,1733.28 h25; Top Pin Number "2" at 2980.07,1733.28 h25
R1034: Top Pin Number "1" at 3058.08,1185.42 h25; Top Pin Number "2" at 2996.66,1185.42 h25
SW101: Top Overlay "1" at 3274,4197 h31; Top Overlay "3" at 3273,3887 h31; Top Overlay "6" at 3389,3890 h31; Top Overlay "4" at 3389,4194 h31; Top Assembly "1" at 3220.65,4142.03 h25; Top Assembly "3" at 3220.65,3945.18 h25; Top Assembly "6" at 3433.25,3945.18 h25; Top Assembly "4" at 3441.12,4149.91 h25; Top Pin Number "2" at 3267.81,4046.79 h25; Top Pin Number "5" at 3393.79,4046.79 h25; Top Pin Number "6" at 3393.79,3948.37 h25; Top Pin Number "3" at 3267.81,3948.37 h25; Top Pin Number "4" at 3393.79,4145.22 h25; Top Pin Number "1" at 3267.81,4145.22 h25
SW901: Top Pin Number "SH" at 2208.09,4230.29 h25 r180; Top Pin Number "SH" at 2060.09,4231.29 h25 r180; Top Pin Number "7" at 2032.3,4191.18 h25 r180; Top Pin Number "1" at 2068.38,4154.85 h25 r180; Top Pin Number "3" at 2170.19,4154.85 h25 r180; Top Pin Number "6" at 2201.6,4191.18 h25 r180; Top Pin Number "2" at 2121.96,4154.85 h25 r180
SW902: Top Pin Number "SH" at 2481.99,4230.29 h25 r180; Top Pin Number "SH" at 2333.99,4231.29 h25 r180; Top Pin Number "7" at 2306.2,4191.18 h25 r180; Top Pin Number "1" at 2342.28,4154.85 h25 r180; Top Pin Number "3" at 2444.09,4154.85 h25 r180; Top Pin Number "6" at 2475.5,4191.18 h25 r180; Top Pin Number "2" at 2395.86,4154.85 h25 r180
SW1101: Top Overlay "20" at 2935.63,2179.79 h31 r270; Top Overlay "10" at 2674.63,1618.79 h31 r270; Top Overlay "11" at 2936.63,1620.79 h31 r270; Top Overlay "1" at 2682.63,2148.79 h31 r270; Top Assembly "11" at 2939.63,1617.79 h25 r270; Top Assembly "20" at 2937.63,2167.79 h25 r270; Top Assembly "1" at 2684.63,2144.79 h25 r270; Top Assembly "10" at 2685.63,1622.79 h25 r270; Top Pin Number "11" at 2936.14,1658.79 h25 r270; Top Pin Number "12" at 2936.14,1708.79 h25 r270; Top Pin Number "17" at 2936.14,1958.79 h25 r270; Top Pin Number "14" at 2936.14,1808.79 h25 r270; Top Pin Number "15" at 2936.14,1858.79 h25 r270; Top Pin Number "19" at 2936.14,2058.79 h25 r270; Top Pin Number "20" at 2936.14,2108.79 h25 r270; Top Pin Number "16" at 2936.14,1908.79 h25 r270; Top Pin Number "18" at 2936.14,2008.79 h25 r270; Top Pin Number "13" at 2936.14,1758.79 h25 r270; Top Pin Number "4" at 2694.3,1958.79 h25 r270; Top Pin Number "9" at 2694.3,1708.79 h25 r270; Top Pin Number "7" at 2694.3,1808.79 h25 r270; Top Pin Number "5" at 2694.3,1908.79 h25 r270; Top Pin Number "1" at 2694.3,2108.79 h25 r270; Top Pin Number "6" at 2694.3,1858.79 h25 r270; Top Pin Number "8" at 2694.3,1758.79 h25 r270; Top Pin Number "2" at 2694.3,2058.79 h25 r270; Top Pin Number "10" at 2694.14,1658.79 h25 r270; Top Pin Number "3" at 2694.3,2008.79 h25 r270
SW1102: Top Overlay "1" at 2361.63,2148.79 h31 r270; Top Overlay "11" at 2615.63,1620.79 h31 r270; Top Overlay "10" at 2353.63,1618.79 h31 r270; Top Overlay "20" at 2614.63,2179.79 h31 r270; Top Assembly "10" at 2364.63,1622.79 h25 r270; Top Assembly "1" at 2363.63,2144.79 h25 r270; Top Assembly "20" at 2616.63,2167.79 h25 r270; Top Assembly "11" at 2618.63,1617.79 h25 r270; Top Pin Number "3" at 2373.3,2008.79 h25 r270; Top Pin Number "10" at 2373.14,1658.79 h25 r270; Top Pin Number "2" at 2373.3,2058.79 h25 r270; Top Pin Number "8" at 2373.3,1758.79 h25 r270; Top Pin Number "6" at 2373.3,1858.79 h25 r270; Top Pin Number "1" at 2373.3,2108.79 h25 r270; Top Pin Number "5" at 2373.3,1908.79 h25 r270; Top Pin Number "7" at 2373.3,1808.79 h25 r270; Top Pin Number "9" at 2373.3,1708.79 h25 r270; Top Pin Number "4" at 2373.3,1958.79 h25 r270; Top Pin Number "13" at 2615.14,1758.79 h25 r270; Top Pin Number "18" at 2615.14,2008.79 h25 r270; Top Pin Number "16" at 2615.14,1908.79 h25 r270; Top Pin Number "20" at 2615.14,2108.79 h25 r270; Top Pin Number "19" at 2615.14,2058.79 h25 r270; Top Pin Number "15" at 2615.14,1858.79 h25 r270; Top Pin Number "14" at 2615.14,1808.79 h25 r270; Top Pin Number "17" at 2615.14,1958.79 h25 r270; Top Pin Number "12" at 2615.14,1708.79 h25 r270; Top Pin Number "11" at 2615.14,1658.79 h25 r270
TP1201: Top Pin Number "1" at 240.16,3462 h25 r180
TP1202: Top Pin Number "1" at 1548.16,1238 h25 r180
TP1203: Bottom Pin Number "1" at 3302,3427.84 h25 r270
TVS303: Top Pin Number "1" at 1218.2,506.25 h25 r270; Top Pin Number "2" at 1216.58,436.88 h25 r270
TVS304: Top Pin Number "1" at 1168.43,522.85 h25 r270; Top Pin Number "2" at 1166.81,453.48 h25 r270
TVS307: Bottom Pin Number "2" at 1448.82,639.81 h25 r270; Bottom Pin Number "1" at 1450.44,570.44 h25 r270
TVS308: Top Pin Number "1" at 1715.41,604.06 h25; Top Pin Number "2" at 1784.78,602.44 h25
TVS401: Top Pin Number "2" at 2726.61,385.09 h25 r180; Top Pin Number "1" at 2795.98,383.47 h25 r180
TVS402: Top Pin Number "2" at 3226.61,387.09 h25 r180; Top Pin Number "1" at 3295.98,385.47 h25 r180
TVS701: Bottom Pin Number "2" at 2576.84,3594.88 h25 r270; Bottom Pin Number "1" at 2578.46,3525.51 h25 r270
TVS702: Bottom Pin Number "2" at 2510.49,3578.28 h25 r270; Bottom Pin Number "1" at 2512.11,3508.91 h25 r270
TVS901: Top Pin Number "2" at 374.75,320.21 h25; Top Pin Number "1" at 305.38,321.83 h25
U101: Bottom Overlay "1" at 658.54,1954.38 h30; Bottom Pin Number "4" at 592.49,1888.38 h10 r270; Bottom Pin Number "1" at 604.3,1965.16 h10 r270; Bottom Pin Number "7" at 561,1945.47 h10 r270; Bottom Pin Number "11" at 592.49,1994.56 h10 r270; Bottom Pin Number "12" at 612.18,1994.56 h10 r270; Bottom Pin Number "3" at 612.18,1888.38 h10 r270; Bottom Pin Number "6" at 553.12,1888.38 h10 r270; Bottom Pin Number "5" at 572.81,1888.38 h10 r270; Bottom Pin Number "8" at 545.25,1965.16 h10 r270; Bottom Pin Number "2" at 604.3,1925.78 h10 r270; Bottom Pin Number "10" at 572.81,1994.56 h10 r270; Bottom Pin Number "9" at 553.12,2002.56 h10 r270; Bottom Assembly "1" at 651.64,1973.09 h15 r270; Bottom Assembly "3" at 612.27,1847.12 h15 r270; Bottom Assembly "6" at 533.53,1854.99 h15 r270; Bottom Assembly "9" at 533.53,2028.21 h15 r270; Bottom Assembly "12" at 628.02,2028.21 h15 r270
U102: Bottom Overlay "7" at 1346,2155 h30; Bottom Overlay "9" at 1345,2061 h30; Bottom Overlay "1" at 1208,2059 h30; Bottom Pin Number "11" at 1261.51,2120.21 h10 r180; Bottom Pin Number "8" at 1297.39,2120.21 h10 r180; Bottom Pin Number "2" at 1222.59,2120.21 h10 r180; Bottom Pin Number "10" at 1263.65,2067.06 h10 r180; Bottom Pin Number "7" at 1297.39,2139.9 h10 r180; Bottom Pin Number "4" at 1245.54,2172.36 h10 r180; Bottom Pin Number "5" at 1264.99,2172.36 h10 r180; Bottom Pin Number "1" at 1220.44,2100.52 h10 r180; Bottom Pin Number "9" at 1297.15,2100.52 h10 r180; Bottom Pin Number "6" at 1284.44,2172.36 h10 r180; Bottom Pin Number "3" at 1222.59,2139.9 h10 r180; Bottom Assembly "7" at 1340.45,2155.35 h15 r180; Bottom Assembly "9" at 1335.45,2076.35 h15 r180; Bottom Assembly "3" at 1203.46,2160.35 h15 r180; Bottom Assembly "1" at 1207.46,2079.35 h15 r180
U201: Bottom Overlay "13" at 3083,1561 h25; Bottom Overlay "12" at 2744,1566 h25; Bottom Overlay "1" at 2778,1249 h25; Bottom Pin Number "22" at 3005.31,1350.3 h10 r180; Bottom Pin Number "23" at 3005.31,1324.71 h10 r180; Bottom Pin Number "24" at 3005.67,1299.12 h10 r180; Bottom Pin Number "2" at 2768.29,1324.71 h10 r180; Bottom Pin Number "1" at 2765.08,1299.12 h10 r180; Bottom Pin Number "7" at 2768.29,1452.67 h10 r180; Bottom Pin Number "8" at 2768.29,1478.26 h10 r180; Bottom Pin Number "9" at 2767.94,1503.85 h10 r180; Bottom Pin Number "10" at 2773.63,1529.44 h10 r180; Bottom Pin Number "11" at 2770.42,1555.03 h10 r180; Bottom Pin Number "13" at 3004.13,1580.62 h10 r180; Bottom Pin Number "14" at 3004.49,1555.03 h10 r180; Bottom Pin Number "6" at 2767.94,1427.07 h10 r180; Bottom Pin Number "15" at 3004.13,1529.44 h10 r180; Bottom Pin Number "16" at 3003.78,1503.85 h10 r180; Bottom Pin Number "17" at 3004.13,1478.26 h10 r180; Bottom Pin Number "18" at 3004.13,1452.67 h10 r180; Bottom Pin Number "20" at 3005.31,1401.48 h10 r180; Bottom Pin Number "19" at 3003.78,1427.07 h10 r180; Bottom Pin Number "5" at 2768.29,1401.48 h10 r180; Bottom Pin Number "3" at 2768.29,1350.3 h10 r180; Bottom Pin Number "4" at 2768.65,1375.89 h10 r180; Bottom Pin Number "21" at 3002.1,1375.89 h10 r180; Bottom Pin Number "12" at 2773.63,1580.62 h10 r180; Bottom Assembly "1" at 2772.54,1312.13 h25 r180; Bottom Assembly "12" at 2761.6,1580.25 h25 r180; Bottom Assembly "13" at 2995.46,1583.04 h25 r180; Bottom Assembly "24" at 2994.1,1310.14 h25 r180
U202: Bottom Overlay "1" at 2846,1112 h20; Bottom Overlay "13" at 2624.19,778.38 h20; Bottom Pin Number "7" at 2858.87,936.79 h10; Bottom Pin Number "4" at 2858.52,1013.56 h10; Bottom Pin Number "5" at 2858.87,987.97 h10; Bottom Pin Number "14" at 2622.94,834.43 h10; Bottom Pin Number "15" at 2623.3,860.02 h10; Bottom Pin Number "2" at 2858.87,1064.74 h10; Bottom Pin Number "6" at 2859.23,962.38 h10; Bottom Pin Number "16" at 2623.65,885.61 h10; Bottom Pin Number "17" at 2623.3,911.2 h10; Bottom Pin Number "3" at 2858.87,1039.15 h10; Bottom Pin Number "1" at 2862.09,1090.33 h10; Bottom Pin Number "23" at 2622.12,1064.74 h10; Bottom Pin Number "24" at 2621.76,1090.33 h10; Bottom Pin Number "21" at 2625.33,1013.56 h10; Bottom Pin Number "18" at 2623.3,936.79 h10; Bottom Pin Number "20" at 2622.12,987.97 h10; Bottom Pin Number "8" at 2858.87,911.2 h10; Bottom Pin Number "19" at 2623.65,962.38 h10; Bottom Pin Number "10" at 2853.22,860.02 h10; Bottom Pin Number "9" at 2859.23,885.61 h10; Bottom Pin Number "22" at 2622.12,1039.15 h10; Bottom Pin Number "11" at 2856.43,834.43 h10; Bottom Pin Number "12" at 2853.22,808.84 h10; Bottom Pin Number "13" at 2623.3,808.84 h10; Bottom Assembly "24" at 2637.19,1075.82 h25; Bottom Assembly "13" at 2630.47,806.33 h25; Bottom Assembly "12" at 2862.08,806.33 h25; Bottom Assembly "1" at 2863.74,1079.65 h25
U203: Bottom Overlay "1" at 2007.23,2829.38 h31 r270; Bottom Overlay "7" at 1815,2801 h31; Bottom Overlay "8" at 1822,3061 h31; Bottom Overlay "14" at 2058,3062 h31; Bottom Pin Number "8" at 1826.87,3049.25 h20 r270; Bottom Pin Number "12" at 1929.11,3051.09 h20 r270; Bottom Pin Number "13" at 1954.71,3051.09 h20 r270; Bottom Pin Number "1" at 1980.47,2810.19 h20 r270; Bottom Pin Number "14" at 1980.31,3051.21 h20 r270; Bottom Pin Number "10" at 1877.91,3051.09 h20 r270; Bottom Pin Number "11" at 1903.51,3050.02 h20 r270; Bottom Pin Number "5" at 1878.07,2811.26 h20 r270; Bottom Pin Number "4" at 1903.67,2811.38 h20 r270; Bottom Pin Number "2" at 1954.87,2811.26 h20 r270; Bottom Pin Number "3" at 1929.27,2811.26 h20 r270; Bottom Pin Number "7" at 1826.87,2811.26 h20 r270; Bottom Pin Number "9" at 1852.47,3049.14 h20 r270; Bottom Pin Number "6" at 1852.47,2811.14 h20 r270; Bottom Assembly "7" at 1773.77,2824.52 h25 r270; Bottom Assembly "8" at 1773.77,3066.52 h25 r270; Bottom Assembly "14" at 1995.78,3070.52 h25 r270; Bottom Assembly "1" at 2005.78,2824.52 h25 r270
U204: Bottom Overlay "1" at 2307,3500 h30; Bottom Overlay "3" at 2318,3427 h30; Bottom Overlay "4" at 2163,3434 h30; Bottom Overlay "5" at 2163,3496 h30; Bottom Pin Number "1" at 2273.29,3510.42 h20 r90; Bottom Pin Number "3" at 2273.29,3459.22 h20 r90; Bottom Pin Number "4" at 2188.29,3459.22 h20 r90; Bottom Pin Number "5" at 2188.29,3510.42 h20 r90; Bottom Pin Number "2" at 2273.29,3484.82 h20 r90; Bottom Assembly "1" at 2317.29,3504.17 h15 r90; Bottom Assembly "3" at 2320.81,3450.13 h15 r90; Bottom Assembly "4" at 2169.37,3450.97 h15 r90; Bottom Assembly "5" at 2168.81,3502.2 h15 r90
U301: Top Overlay "1" at 1274.57,722 h30 r180; Top Assembly "1" at 1283.5,688.13 h15 r180; Top Pin Number "5" at 1242.58,591.64 h10 r180; Top Pin Number "1" at 1244.72,693.64 h10 r180; Top Pin Number "2" at 1205.08,693.64 h10 r180; Top Pin Number "3" at 1167.58,693.64 h10 r180; Top Pin Number "4" at 1167.34,591.64 h10 r180
U302: Bottom Overlay "A" at 1551,1175 h20; Bottom Overlay "G" at 1551,1258 h20; Bottom Overlay "1" at 1583,1297 h20; Bottom Overlay "6" at 1662,1294 h20; Bottom Pin Number "D6" at 1652.36,1220.63 h5 r180; Bottom Pin Number "C6" at 1652.62,1204.88 h5 r180; Bottom Pin Number "E6" at 1652.1,1236.38 h5 r180; Bottom Pin Number "F6" at 1651.96,1252.13 h5 r180; Bottom Pin Number "G6" at 1652.49,1267.87 h5 r180; Bottom Pin Number "A5" at 1636.99,1173.39 h5 r180; Bottom Pin Number "A3" at 1605.5,1173.39 h5 r180; Bottom Pin Number "A6" at 1652.62,1173.39 h5 r180; Bottom Pin Number "A2" at 1589.75,1173.39 h5 r180; Bottom Pin Number "E1" at 1572.41,1236.38 h5 r180; Bottom Pin Number "F1" at 1572.28,1252.13 h5 r180; Bottom Pin Number "B1" at 1572.67,1189.13 h5 r180; Bottom Pin Number "C1" at 1572.93,1204.88 h5 r180; Bottom Pin Number "D1" at 1572.67,1220.63 h5 r180; Bottom Pin Number "D5" at 1636.73,1220.63 h5 r180; Bottom Pin Number "D4" at 1621.1,1220.63 h5 r180; Bottom Pin Number "C5" at 1636.99,1204.88 h5 r180; Bottom Pin Number "C4" at 1621.36,1204.88 h5 r180; Bottom Pin Number "E4" at 1620.83,1236.38 h5 r180; Bottom Pin Number "E5" at 1636.47,1236.38 h5 r180; Bottom Pin Number "F4" at 1620.7,1252.13 h5 r180; Bottom Pin Number "F5" at 1636.33,1252.13 h5 r180; Bottom Pin Number "G4" at 1621.23,1267.87 h5 r180; Bottom Pin Number "G5" at 1636.86,1267.87 h5 r180; Bottom Pin Number "C2" at 1589.75,1204.88 h5 r180; Bottom Pin Number "C3" at 1605.5,1204.88 h5 r180; Bottom Pin Number "B6" at 1652.36,1189.13 h5 r180; Bottom Pin Number "B3" at 1605.24,1189.13 h5 r180; Bottom Pin Number "B2" at 1589.49,1189.13 h5 r180; Bottom Pin Number "A4" at 1621.36,1173.39 h5 r180; Bottom Pin Number "B4" at 1621.1,1189.13 h5 r180; Bottom Pin Number "B5" at 1636.73,1189.13 h5 r180; Bottom Pin Number "G1" at 1572.8,1267.87 h5 r180; Bottom Pin Number "D3" at 1605.24,1220.63 h5 r180; Bottom Pin Number "D2" at 1589.49,1220.63 h5 r180; Bottom Pin Number "F3" at 1604.84,1252.13 h5 r180; Bottom Pin Number "E3" at 1604.98,1236.38 h5 r180; Bottom Pin Number "F2" at 1589.09,1252.13 h5 r180; Bottom Pin Number "E2" at 1589.23,1236.38 h5 r180; Bottom Pin Number "G3" at 1605.37,1267.87 h5 r180; Bottom Pin Number "G2" at 1589.62,1267.87 h5 r180; Bottom Pin Number "A1" at 1572.93,1173.39 h5 r180; Bottom Assembly "A" at 1538.28,1171.76 h15 r180; Bottom Assembly "G" at 1538.27,1274.12 h15 r180; Bottom Assembly "1" at 1569.78,1148.13 h15 r180; Bottom Assembly "6" at 1656.38,1148.13 h15 r180
U303: Top Assembly "13" at 781.39,559.41 h15 r90; Top Assembly "9" at 875.88,567.28 h15 r90; Top Assembly "5" at 875.88,401.93 h15 r90; Top Assembly "1" at 789.26,401.93 h15 r90; Top Pin Number "2" at 809.01,435.33 h10 r90; Top Pin Number "11" at 824.76,531.75 h10 r90; Top Pin Number "9" at 855.76,533.54 h10 r90; Top Pin Number "1" at 793.26,435.33 h10 r90; Top Pin Number "3" at 824.76,435.33 h10 r90; Top Pin Number "17" at 823.76,481.54 h10 r90; Top Pin Number "15" at 778.7,492.66 h10 r180; Top Pin Number "5" at 856.26,435.33 h10 r90; Top Pin Number "7" at 871.12,493.66 h10 r180; Top Pin Number "8" at 871.12,509.41 h10 r180; Top Pin Number "12" at 809.01,531.75 h10 r90; Top Pin Number "14" at 778.7,508.41 h10 r180; Top Pin Number "10" at 840.51,531.75 h10 r90; Top Pin Number "13" at 793.26,531.75 h10 r90; Top Pin Number "4" at 840.51,435.33 h10 r90; Top Pin Number "16" at 778.7,476.91 h10 r180; Top Pin Number "6" at 871.12,477.91 h10 r180
U304: Top Overlay "1" at 1543.44,635.78 h30; Top Assembly "1" at 1535.81,670.77 h15; Top Pin Number "5" at 1576.74,767.27 h10; Top Pin Number "1" at 1574.6,665.27 h10; Top Pin Number "2" at 1614.24,665.27 h10; Top Pin Number "3" at 1651.74,665.27 h10; Top Pin Number "4" at 1651.98,767.27 h10